# Altium PCB AI Gateway - Carrier.PcbDoc (part 3 of 3)
Units mm, origin at the board's own origin, x right, y up, seen from the top; angles counter-clockwise.
Board outline 140.01 x 100.04 mm, 4 copper layers (L1, L2/GND, L3/PWR, L4), stack 1.55 mm thick; 244 components, 230 nets, 1110 pads, 346 vias.
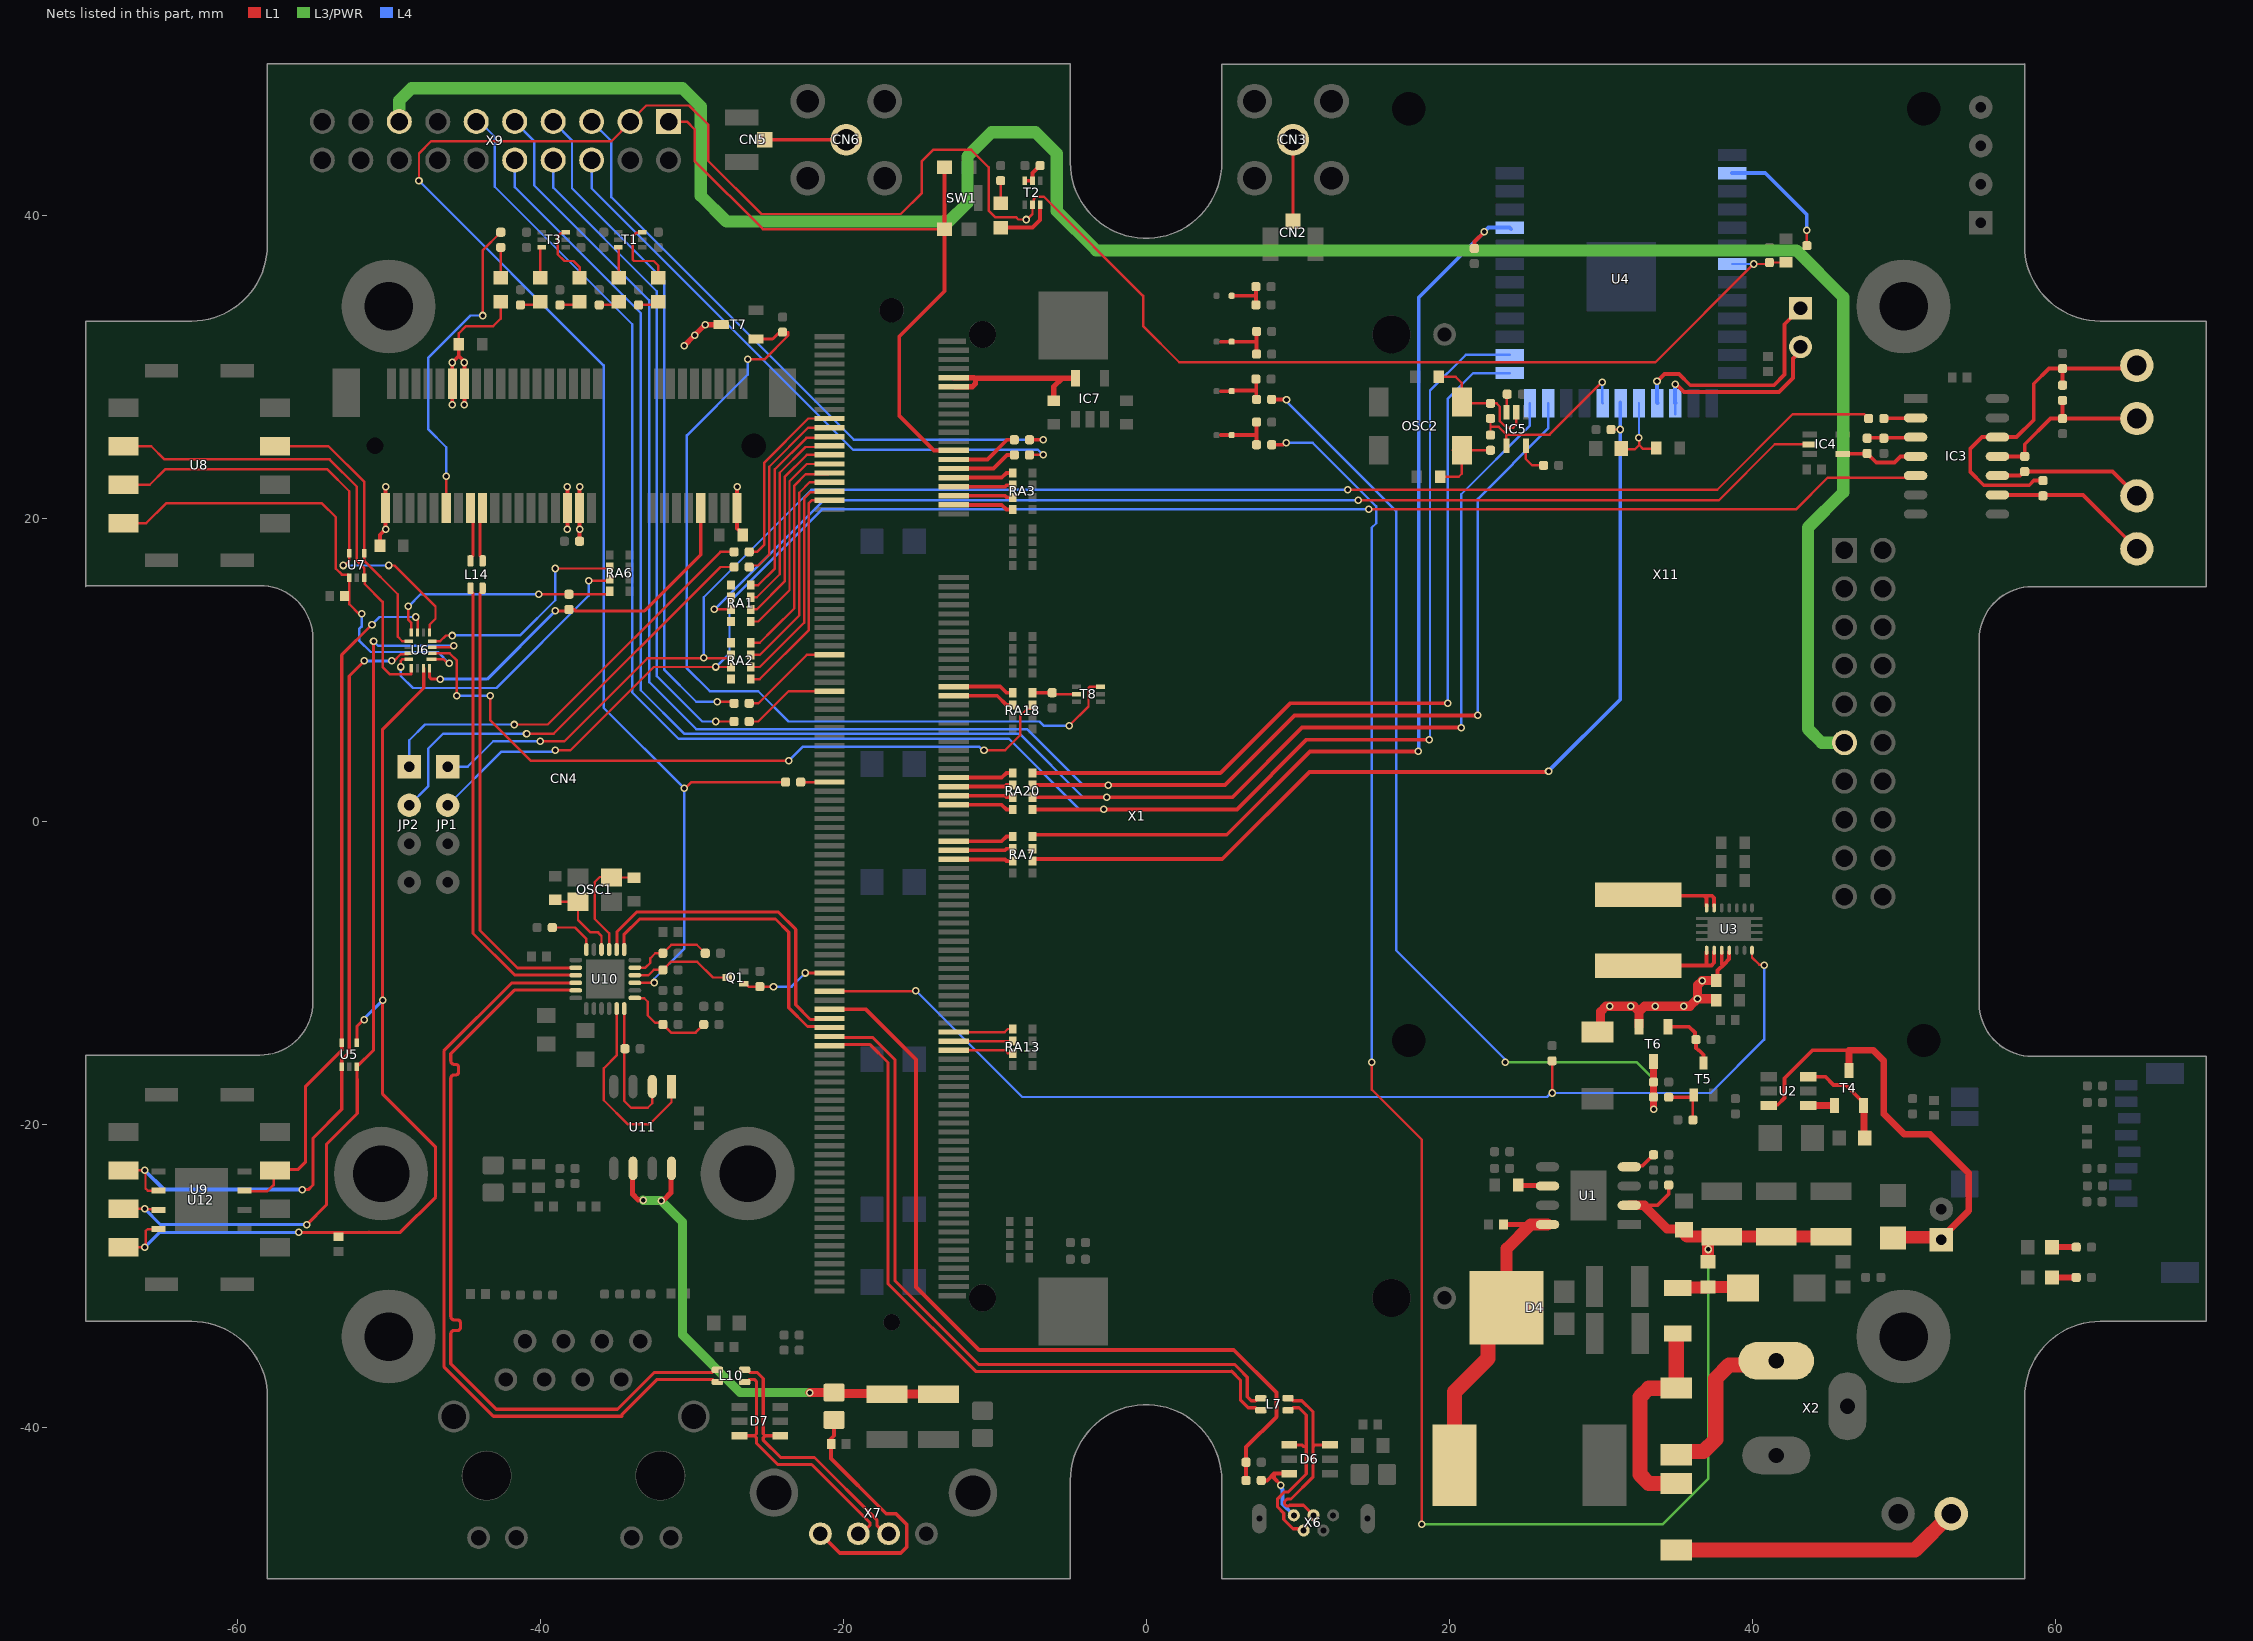
[diagram p5: the nets of this part, all layers, seen from the top]

## Via types
v1: diameter 0.5, hole 0.3, L1 to L4, 332 vias
v2: diameter 1.27, hole 0.711, L1 to L4, 14 vias

## Nets (pads, with @x,y where several pads share a name; then routed paths per layer and width w, separated by ;. In a path a pad name is that pad's centre, name@x,y a point inside that pad or via, vN(x,y) a via of type N, cw(c..) or ccw(c..) an arc to the next point about the centre after c; other vN are vias at no path point) (continued)
NetCN4_42: CN4.42 R62.2 | length 21.2
  L1 w0.16: CN4.42@-46.2,20.7 v1(-46.2,22.8) ; v1(-43.8,33.4) -43.8,37.7 R62.2@-42.6,38.9
  L4 w0.16: v1(-46.2,22.8) -46.2,24.7 -47.4,25.9 -47.4,30.6 -44.6,33.4 v1(-43.8,33.4)
NetD2_2: D2.2 F1.2 L1.2 | length 4.3
  L1 w0.8: F1.2@35.1,-30.8 35.13,-30.77 37.07,-30.77 L1.2@37.1,-30.74 D2.2@39.34,-30.74
  L1 w1: D2.2@39.34,-30.74 D2.2@39.4,-30.8
NetJP4_1: JP4.1 U4.17 | length 15.5
  L1 w0.254: v1(33.725,29.05) 34.225,29.55 35.175,29.55 35.925,28.8 41.45,28.8 42.15,29.5 42.15,32.825 JP4.1@43.2,33.875
  L4 w0.254: v1(33.725,29.05) 33.725,27.655 33.75,27.63 U4.17@33.74,27.62
NetJP4_2: JP4.2 U4.16 | length 12.6
  L1 w0.254: v1(34.925,28.875) 34.992,28.875 35.517,28.35 41.775,28.35 42.7,29.275 42.7,30.563 43.2,31.063 JP4.2@43.2,31.335
  L4 w0.16: U4.16@34.94,26.88 U4.16@34.94,27.62
  L4 w0.254: v1(34.925,28.875) 34.925,27.635 U4.16@34.94,27.62
NetJP7_2: JP7.2 R71.1 R72.1 | length 2.8
  L1 w0.254: JP7.2@5.65,34.705 7.25,34.705 ; R72.1@7.25,34.105 7.25,34.705 ; R71.1@7.25,35.305 7.25,34.705
NetJP8_2: JP8.2 R73.1 R74.1 | length 3.2
  L1 w0.254: JP8.2@5.65,31.673 7.218,31.673 7.292,31.599 ; R74.1@7.292,30.851 7.292,31.599 ; R73.1@7.292,32.347 7.292,31.599
NetJP9_2: JP9.2 R75.1 R76.1 | length 3
  L1 w0.254: JP9.2@5.65,28.405 5.692,28.447 7.185,28.447 7.271,28.532 ; R76.1@7.25,29.205 7.271,29.184 7.271,28.532 ; R75.1@7.292,27.86 7.271,27.88 7.271,28.532
NetJP10_2: JP10.2 R77.2 R78.2 | length 3.2
  L1 w0.254: JP10.2@5.65,25.505 7.181,25.505 7.292,25.616 ; R77.2@7.292,24.868 7.292,25.616 ; R78.2@7.292,26.364 7.292,25.616
NetL4_1: L4.1 U3.8 U3.9 | length 6.7
  L1 w0.254: L4.1@32.5,-9.53 32.53,-9.5 37,-9.5 ; U3.8@37,-8.6 37,-9.5 ; U3.9@37.5,-8.6 37.487,-8.613 37.487,-9.328 37.315,-9.5 37,-9.5
NetL4_2: L4.2 U3.6 U3.7 | length 6.4
  L1 w0.254: L4.2@32.5,-4.83 32.57,-4.9 36.838,-4.9 ; U3.7@37,-5.58 36.987,-5.567 36.987,-5.049 36.838,-4.9 ; U3.6@37.5,-5.58 37.5,-5.049 37.351,-4.9 36.838,-4.9
NetLED1_1: LED1.1 T1.3 | length 4.9
  L1 w0.16: T1.3@-33.271,38.9 -33.294,38.877 -33.635,38.877 -33.9,38.612 -33.9,37.1 -33.8,37 -32.5,37 -32.2,36.7 LED1.1@-32.2,35.9
NetLED1_2: LED1.2 R2.2 | length 1.4
  L1 w0.16: R2.2@-33.5,34.1 -32.4,34.1 LED1.2@-32.2,34.3
NetLED2_1: LED2.1 T1.6 | length 2
  L1 w0.16: T1.6@-34.851,37.9 -34.823,37.9 -34.8,37.877 LED2.1@-34.8,35.9
NetLED2_2: LED2.2 R3.2 | length 1.4
  L1 w0.16: R3.2@-36.1,34.1 -35,34.1 LED2.2@-34.8,34.3
NetLED3_1: LED3.1 T3.6 | length 4.3
  L1 w0.16: T3.6@-38.31,38.9 -38.38,38.83 -38.654,38.83 -38.835,38.649 -38.835,37.435 -38.4,37 -37.8,37 -37.4,36.6 LED3.1@-37.4,35.9
NetLED3_2: LED3.2 R8.2 | length 1.4
  L1 w0.16: R8.2@-38.7,34.1 -37.6,34.1 LED3.2@-37.4,34.3
NetLED4_1: LED4.1 T3.3 | length 2.1
  L1 w0.16: LED4.1@-40,35.9 -40,37.877 -39.977,37.9 T3.3@-39.89,37.9
NetLED4_2: LED4.2 R9.2 | length 1.4
  L1 w0.16: R9.2@-41.3,34.1 -40.2,34.1 LED4.2@-40,34.3
NetLED5_1: LED5.1 T2.3 | length 3.6
  L1 w0.254: LED5.1@-9.4,39.2 -7.5,39.2 -7,39.7 T2.3@-7,40.72
NetLED5_2: LED5.2 R1.1 | length 1.5
  L1 w0.16: LED5.2@-9.6,40.8 R1.1@-9.6,42.3
NetLED6_2: LED6.2 R21.1 | length 1.6
  L1 w0.4: LED6.2@59.8,-30.1 R21.1@61.4,-30.1
NetLED7_2: LED7.2 R22.1 | length 1.6
  L1 w0.4: LED7.2@59.8,-28.1 R22.1@61.4,-28.1
NetLED8_1: LED8.1 R62.1 | length 2
  L1 w0.16: LED8.1@-42.6,35.9 R62.1@-42.6,37.9
NetR31_2: R31.2 R54.2 T5.1 | length 3.3
  L1 w0.16: T5.1@36,-18.2 T5.1@36.1,-18.1 ; R54.2@36.1,-19.7 T5.1@36.1,-18.1 ; T5.1@36.15,-18.05 T5.1@36.1,-18.1
  L1 w0.254: R31.2@34.5,-18.2 T5.1@36,-18.2
NetR34_2: R34.2 T5.3 T6.1 | length 4.2
  L1 w0.254: T6.1@34.45,-13.55 35.85,-13.55 36.229,-13.929 36.229,-14.329 R34.2@36.3,-14.4 36.3,-14.951 36.449,-15.1 36.5,-15.1 36.8,-15.4 T5.3@36.8,-15.95
NetR53_1: R53.1 U10.24 | length 3.3
  L1 w0.16: R53.1@-39.2,-7 -37.7,-7 -36.95,-7.75 U10.24@-36.95,-8.45
NetR61_2: R61.2 U4.2 | length 8.1
  L1 w0.16: v1(43.613,39.022) 43.625,39.009 R61.2@43.625,38.009
  L4 w0.254: U4.2@38.68,42.8 40.875,42.8 43.613,40.063 v1(43.613,39.022)
NetR79_1: R79.1 T7.1 T8.6 | length 58.4
  L1 w0.16: v1(-26.3,30.5) -25.2,30.5 -23.62,32.08 -23.62,32.3 R79.1@-24,32.3 ; v1(-5.079,6.321) -3.8,7.6 -3.8,8.8 -3.7,8.9 T8.6@-3.01,8.9
  L1 w0.206: T7.1@-25.75,31.85 -24.65,31.85 R79.1@-24.2,32.3
  L4 w0.16: v1(-26.3,30.5) -26.3,29.5 -30.31,25.49 -30.31,10.11 -28.8,8.6 -25.6,8.6 -23.6,6.6 -7.03,6.6 -6.74,6.31 -5.09,6.31 v1(-5.079,6.321)
NetRA7_1: RA7.1 X1.100 | length 3.9
  L1 w0.254: X1.100@-12.6,-1.3 -9.525,-1.3 -9.225,-1 RA7.1@-8.8,-1
NetRA7_2: RA7.2 X1.102 | length 3.8
  L1 w0.254: X1.102@-12.6,-1.9 -9.325,-1.9 -9.225,-1.8 RA7.2@-8.8,-1.8
NetRA7_3: RA7.3 X1.104 | length 3.8
  L1 w0.254: X1.104@-12.6,-2.5 -9.325,-2.5 -9.225,-2.6 RA7.3@-8.8,-2.6
NetRA13_1: RA13.1 X1.142 | length 3.9
  L1 w0.16: X1.142@-12.6,-13.9 -9.33,-13.9 -9.13,-13.7 RA13.1@-8.8,-13.7
NetRA13_2: RA13.2 X1.144 | length 3.8
  L1 w0.16: X1.144@-12.6,-14.5 -9.13,-14.5 RA13.2@-8.8,-14.5
NetRA13_3: RA13.3 X1.146 | length 3.9
  L1 w0.16: X1.146@-12.6,-15.1 -9.33,-15.1 -9.13,-15.3 RA13.3@-8.8,-15.3
NetRA18_1: RA18.1 X1.66 | length 4
  L1 w0.254: X1.66@-12.6,8.9 -9.625,8.9 -9.225,8.5 RA18.1@-8.8,8.5
NetRA18_2: RA18.2 X1.68 | length 4
  L1 w0.254: X1.68@-12.6,8.3 -9.825,8.3 -9.225,7.7 RA18.2@-8.8,7.7
NetT4_1: T4.1 U2.4 | length 1.7
  L1 w0.45: U2.4@43.7,-18.75 T4.1@45.45,-18.75
NON_REM0: R81.1 R89.1 U10.17 | length 5.7
  L1 w0.16: U10.17@-33.75,-9.65 -33.05,-9.65 -32.725,-9.325 -32.725,-9.025 -32.4,-8.7 R81.1@-31.9,-8.7 -31.337,-8.137 -29.663,-8.137 R89.1@-29.1,-8.7
NON_REM1: R85.1 R86.2 U10.13 | length 6.2
  L1 w0.16: U10.13@-33.75,-11.65 -33.732,-11.668 -33.132,-11.668 -32.9,-11.9 -32.9,-12.8 -32.4,-13.3 R86.2@-31.9,-13.3 ; R86.2@-31.9,-13.4 -31.36,-13.94 -29.74,-13.94 R85.1@-29.2,-13.4
NOT_GND: IC5.3 R18.2 | length 1.2
  L1 w0.16: IC5.3@23.785,27.005 23.81,27.03 23.81,28.18 R18.2@23.835,28.205
NOT_VCC: IC5.5 R14.1 | length 2.2
  L1 w0.16: IC5.5@25.085,24.805 25.06,24.78 25.06,23.94 25.495,23.505 R14.1@26.235,23.505
PGOOD_3.3: R32.1 U3.14 X1.133 | length 74.7
  L1 w0.16: X1.133@-20.9,-11.2 v1@-15.23,-11.2 ; R32.1@26.8,-15.8 26.825,-15.825 v1(26.825,-17.925) ; U3.14@40,-8.5 40,-8.973 40.477,-9.45 40.75,-9.45 v1(40.8,-9.5)
  L1 w0.254: v1@-15.23,-11.2 v1(-15.2,-11.17)
  L4 w0.16: v1(-15.2,-11.17) -8.18,-18.19 26.473,-18.19 26.738,-17.925 37.275,-17.925 40.8,-14.4 v1(40.8,-9.5)
PWM0: R91.1 X9.7 | length 44.8
  L1 w0.16: v1(-28.3,7.9) -27.5,7.9 -27.3,7.7 R91.1@-27.2,7.8
  L4 w0.16: X9.7@-39.14,46.2 -37.9,44.96 -37.9,41.8 -31.8,35.7 -31.8,10 -29.7,7.9 v1(-28.3,7.9)
PWM1: R92.1 X9.5 | length 41.6
  L1 w0.254: R92.1@-7.7,25.2 v1(-6.8,25.2)
  L4 w0.16: X9.5@-36.6,46.2 -35.3,44.9 -35.3,41.207 -19.293,25.2 v1(-6.8,25.2)
PWM2: R93.1 X9.6 | length 39.7
  L1 w0.16: R93.1@-7.503,24.2 v1(-6.8,24.2)
  L4 w0.16: X9.6@-36.6,43.66 -36.6,41.8 -19.34,24.54 -7.14,24.54 v1(-6.8,24.2)
PWM3: R94.1 X9.8 | length 43.2
  L1 w0.16: v1(-28.4,6.6) R94.1@-27.2,6.6
  L4 w0.16: X9.8@-39.14,43.66 -39.14,41.84 -32.3,35 -32.3,9.6 -29.3,6.6 v1(-28.4,6.6)
PWM_A_S: R91.2 X1.59 | length 6.6
  L1 w0.16: R91.2@-26.2,7.8 -25.6,7.8 -22.4,11 X1.59@-20.9,11
PWM_B_S: R92.2 X1.28 | length 4.5
  L1 w0.254: X1.28@-12.7,23.9 -10.475,23.9 -9.175,25.2 R92.2@-8.7,25.2
PWM_C_S: R93.2 X1.30 | length 4.4
  L1 w0.254: X1.30@-12.7,23.3 -10.075,23.3 -9.175,24.2 R93.2@-8.7,24.2
PWM_D_S: R94.2 X1.67 | length 6.1
  L1 w0.16: R94.2@-26.2,6.6 -25.6,6.6 -23.6,8.6 X1.67@-20.9,8.6
PWR_IN: D1.1 D3.1 F1.1 | length 14.1
  L1 w1: D3.1@35,-43.7 33.186,-43.7 32.6,-43.114 32.6,-38 33.186,-37.414 34.986,-37.414 D1.1@35,-37.4 35,-33.825 35.025,-33.8 F1.1@35.1,-33.8
PWR_IN_A: D1.2 X2.1 | length 11.5
  L1 w1: D1.2@35,-41.8 35.2,-41.6 36.8,-41.6 37.6,-40.8 37.6,-36.773 38.486,-35.887 41.313,-35.887 X2.1@41.6,-35.6
PWR_IN_B: D3.2 X3.2 | length 19.1
  L1 w1: D3.2@35,-48.1 50.75,-48.1 X3.2@53.15,-45.7
PWR_IN_FILT: C8.2 C9.2 C10.2 C14.2 L1.1 R25.2 R77.1 U1.2 | length 130.9
  L1 w0.16: v1(14.9,-15.9) 14.9,-17.7 18.2,-21 v1(18.2,-46.4)
  L1 w0.254: R77.1@8.292,24.868 9.053,24.868 9.176,24.991 v1(9.242,24.991) ; 32.9,-25.335 33.765,-25.335 34.5,-24.6 R25.2@34.5,-24
  L1 w0.6: U1.2@31.9,-25.335 32.9,-25.335 ; 32.835,-25.335 34.389,-26.889 35.2,-26.889 35.3,-26.989 C14.2@35.3,-27.15
  L1 w0.8: C14.2@35.45,-26.9 C14.2@35.5,-26.95 ; C14.2@35.6,-27.3 35.703,-27.403 C8.2@37.275,-27.403 ; L1.1@37.1,-29.06 v1(37.1,-28.253) 37.1,-27.578 C8.2@37.275,-27.403 ; C10.2@45.2,-27.403 C9.2@41.6,-27.403 C8.2@38,-27.403 C8.2@37.275,-27.403
  L3/PWR w0.16: v1(18.2,-46.4) 34.1,-46.4 37.1,-43.4 v1(37.1,-28.253)
  L4 w0.16: v1(9.242,24.991) 11.002,24.991 15.19,20.803 15.19,19.69 14.9,19.4 v1(14.9,-15.9)
RESET_EXTn: SW1.2 SW1.4 X1.26 X9.1 | length 44.6
  L1 w0.16: X9.1@-31.52,46.2 -30.3,46.2 -29.8,45.7 -29.8,43.6 -25.3,39.1 SW1.2@-13.3,39.1
  L1 w0.254: SW1.4@-13.3,43.2 SW1.2@-13.3,39.1 -13.3,35 -16.3,32 -16.3,26.8 -14,24.5 X1.26@-12.7,24.5
RESET_OUT: R4.1 T2.5 T2.6 | length 1.8
  L1 w0.254: T2.6@-8,42.259 T2.6@-8,42.277 ; T2.6@-8,42.3 T2.6@-8,42.277 ; R4.1@-7,43.3 -7.5,42.8 T2.5@-7.5,42.3 -7.977,42.3 T2.6@-8,42.277
RESET_OUTn: C47.2 R5.1 R60.2 T2.2 U4.7 U10.15 X9.3 | length 184.7
  L1 w0.16: v1(-48,42.3) -48,44.1 -47.2,44.9 -35.3,44.9 -34.06,46.14 X9.3@-34.06,46.2 -32.995,47.265 -30.165,47.265 -28.9,46 -28.9,43.6 -25.4,40.1 -16.2,40.1 -14.8,41.5 -14.8,43.6 -14.066,44.334 -11.544,44.334 -10.4,43.189 -10.4,40.336 -9.964,39.9 -8.6,39.9 -8.437,39.737 v1(-7.9,39.737) -7.863,39.737 -7.5,40.1 T2.2@-7.5,40.72 -7.43,40.79 -7.43,41.064 -7.249,41.245 -6.751,41.245 -0.2,34.694 -0.2,32.7 2.189,30.311 33.619,30.311 v1(40.108,36.8) 41.05,36.8 R60.2@41.15,36.9 42.225,36.9 C47.2@42.25,36.925 ; U10.15@-33.75,-10.65 -33.741,-10.641 -32.481,-10.641 v1(-32.471,-10.631) v1@-32.431,-10.631 ; v1(-30.5,2.2) -30.4,2.2 -30,2.6 R5.1@-23.8,2.6
  L4 w0.16: v1(-48,42.3) -35.81,30.11 -35.81,7.51 v1(-30.5,2.2) -30.5,-8.407 -32.471,-10.378 v1(-32.471,-10.631) ; U4.7@38.68,36.8 v1(40.108,36.8) v1@40.208,36.9
RESET_OUTn_S: R5.2 X1.87 | length 1.9
  L1 w0.16: R5.2@-22.8,2.6 X1.87@-20.9,2.6
RF_3G: CN5.1 CN6.5 | length 5.4
  L1 w0.222: CN5.1@-25.175,45 CN6.5@-19.8,45
RF_WIFI: CN2.1 CN3.5 | length 5.4
  L1 w0.222: CN2.1@9.7,39.625 CN3.5@9.7,45
RS485.CTS: RA1.2
RS485.DCD: RA2.1
RS485.DSR: RA1.4
RS485.DTR: RA1.1
RS485.RI: RA2.4
RS485.RTS: IC4.2 RA1.3 | length 77.9
  L1 w0.16: v1(-28.5,14) RA1.3@-27.4,14 ; v1(14,21.2) 37.8,21.2 41.5,24.9 IC4.2@43.8,24.9
  L4 w0.16: v1(-28.5,14) -21.3,21.2 v1(14,21.2)
RS485.RXD: IC3.2 R35.1 | length 2.1
  L1 w0.254: R35.1@48.7,26.6 48.72,26.62 50.78,26.62 IC3.2@50.8,26.64
RS485.TXD: IC3.5 JP1.2 RA2.3 | length 108.9
  L1 w0.16: v1(-39,4.7) -38,4.7 -32.5,10.2 RA2.3@-27.4,10.2 ; v1(14.7,20.6) 42.899,20.6 44.999,22.7 50.076,22.7 50.206,22.83 IC3.5@50.8,22.83
  L4 w0.16: JP1.2@-46.1,1.07 -42.56,4.61 -39.09,4.61 v1(-39,4.7) ; v1(-28.4,10.2) -27.5,11.1 -27.5,14.5 -21.4,20.6 v1(14.7,20.6)
RS485_DE: IC3.4 IC4.4 R66.2 | length 5.2
  L1 w0.254: IC4.4@46,24.25 46.025,24.275 47.575,24.275 R66.2@47.6,24.3 48.2,23.7 49.4,23.7 49.8,24.1 IC3.4@50.8,24.1
RS485_nRE: IC3.3 R66.1 R69.2 | length 3.2
  L1 w0.254: R66.1@47.6,25.3 47.635,25.335 50.765,25.335 IC3.3@50.8,25.37
RS485_RXD+: IC3.12 R13.2 R65.1 R67.1 X8.2 | length 22.6
  L1 w0.254: R13.2@59.2,22.5 58.6,22.5 58.3,22.2 55.3,22.2 54.4,23.1 54.4,24.6 55.17,25.37 IC3.12@56.2,25.37 56.4,25.37 57.47,25.37 58.6,26.5 58.6,28.9 59.6,29.9 R67.1@60.5,29.9 ; R65.1@60.5,28.8 R67.1@60.5,29.9 ; X8.2@65.4,30.1 65.2,29.9 R67.1@60.5,29.9
RS485_RXD-: IC3.11 R12.1 R65.2 R70.2 X8.1 | length 11.9
  L1 w0.254: IC3.11@56.2,24.1 R12.1@58,24.1 58,24.9 59.7,26.6 R70.2@60.5,26.6 ; R65.2@60.5,27.8 R70.2@60.5,26.6 ; X8.1@65.4,26.6 R70.2@60.5,26.6
RS485_TXD+: IC3.9 R13.1 X10.1 | length 10.7
  L1 w0.254: IC3.9@56.2,21.56 61.84,21.56 X10.1@65.4,18
RS485_TXD-: IC3.10 R12.2 X10.2 | length 10
  L1 w0.254: IC3.10@56.2,22.83 57.692,22.83 57.962,23.1 R12.2@58,23.1 63.8,23.1 X10.2@65.4,21.5
RT_SYNC: R29.2 U1.4 | length 1.9
  L1 w0.254: U1.4@31.905,-22.8 U1.4@31.9,-22.795 31.966,-22.729 32.771,-22.729 R29.2@33.5,-22
SIM1_CLK: U6.13 U7.3 U8.3 | length 31.6
  L1 w0.16: U8.3@-67.5,24.77 -65.67,24.77 -64.8,23.9 -53.9,23.9 -52.1,22.1 -52.1,17.2 -51.6,16.7 U7.3@-51.6,16.1 -51.575,16.075 -51.575,15.675 -50.4,14.5 -50.4,10.2 -49.91,9.71 -48.5,9.71 U6.13@-48.5,10.125
SIM1_DATA: U6.9 U7.4 U8.7 | length 18.8
  L1 w0.16: U8.7@-57.5,24.77 -53.97,24.77 -51.6,22.4 U7.4@-51.6,17.7 -51.6,17.2 -49.4,15 -49.4,12.2 -49.1,11.9 U6.9@-48.675,11.9
SIM1_RST: U6.5 U7.5 U8.2 | length 30.1
  L1 w0.16: U8.2@-67.5,22.23 -65.77,22.23 -64.755,23.245 -54.045,23.245 -52.6,21.8 U7.5@-52.6,17.7 -52.6,17.208 -52.908,16.9 v1(-53,16.9) ; v1(-50,16.9) -49.607,16.9 -46.91,14.203 -46.91,13.38 -47.3,12.99 U6.5@-47.3,12.475
  L4 w0.16: v1(-53,16.9) v1(-50,16.9)
SIM1_VDD: C62.1 U6.1 U7.1 U8.1 | length 32
  L1 w0.16: U8.1@-67.5,19.69 -66.01,19.69 -64.7,21 -54.4,21 -53.49,20.09 -53.49,16.697 -53.093,16.3 -52.67,16.3 -52.6,16.23 -52.6,14.35 -51.95,13.7 v1(-51.79,13.7) ; U6.1@-47.175,10.7 -46.356,10.7 -46.106,10.45 v1(-46.014,10.45)
  L4 w0.16: v1(-51.79,13.7) -51.79,12.863 -51.95,12.703 -51.95,11.957 -51.183,11.19 -46.754,11.19 v1(-46.014,10.45)
SIM2_CLK: U5.1 U6.11 U9.3 U12.6 | length 54.3
  L1 w0.16: U9.3@-67.5,-23.03 v1(-66.1,-23.03) -66.053,-23.077 -66.053,-24.216 -65.904,-24.365 U12.6@-65.042,-24.365 ; v1(-49.8,10.6) -49.653,10.6 -49.203,11.05 -48.75,11.05 -48.688,11.113 U6.11@-48.675,11.1
  L1 w0.206: v1(-55.7,-24.3) -55.3,-24.3 -55,-24 -55,-20.9 -53.1,-19 U5.1@-53.1,-16.449 ; U5.1@-53.1,-16.2 -53.1,-15.717 -52.6,-15.217 -52.6,9.6 v1(-51.6,10.6)
  L4 w0.206: v1(-51.6,10.6) v1(-49.8,10.6)
  L4 w0.254: v1(-66.1,-23.03) -64.83,-24.3 v1(-55.7,-24.3)
SIM2_DATA: U5.5 U6.7 U9.7 U12.3 | length 46.5
  L1 w0.16: U12.3@-59.378,-24.4 -58,-24.4 -57.6,-24 -57.6,-23.13 U9.7@-57.5,-23.03 U9.7@-57.435,-22.965 ; v1(-48.2,13.5) -48.07,13.37 -48.07,12.505 U6.7@-48.1,12.475
  L1 w0.206: U9.7@-57.435,-22.965 -55.965,-22.965 -55.5,-22.5 -55.5,-17.5 -53.1,-15.1 U5.5@-53.1,-14.6 ; U5.5@-53.1,-14.385 -53.1,-14.3 -53.1,11 v1(-51.1,13)
  L4 w0.16: v1(-51.1,13) -50.6,13.5 v1(-48.2,13.5)
SIM2_RST: U5.3 U6.3 U9.2 U12.7 | length 60.9
  L1 w0.16: U9.2@-67.5,-25.57 v1(-66.1,-25.57) -66.068,-25.602 -65.075,-25.602 U12.7@-65.042,-25.635 ; U6.3@-47.125,11.5 -45.8,11.5 v1(-45.7,11.6)
  L1 w0.206: v1(-55.412,-26.612) -54.1,-25.3 -54.1,-21.3 -52.074,-19.274 -52.074,-17.008 -52.1,-16.982 U5.3@-52.1,-16.2 -51,-15.1 v1(-51,11.9)
  L4 w0.16: v1(-51,11.9) -50.7,11.6 v1(-45.7,11.6)
  L4 w0.206: v1(-66.1,-25.57) -65.058,-26.612 v1(-55.412,-26.612)
SIM2_VDD: C55.1 U5.4 U6.15 U9.1 U12.8 | length 65.2
  L1 w0.16: U9.1@-67.5,-28.11 v1(-66.1,-28.11) -66.044,-28.054 -66.044,-27.044 -65.905,-26.905 U12.8@-65.042,-26.905 ; v1(-55.947,-27.125) v1@-55.9,-27.172
  L1 w0.206: v1(-55.947,-27.125) -51.315,-27.125 -51.29,-27.1 ; U5.4@-52.1,-14.6 -52.094,-14.594 -52.094,-13.52 -52.09,-13.52 -51.67,-13.1 v1(-51.613,-13.1) ; -51.29,-27.125 -49.225,-27.125 -46.9,-24.8 -46.9,-21.5 -50.4,-18 v1(-50.4,-11.8) -50.4,6.1 -47.687,8.813 -47.687,10.112 U6.15@-47.7,10.125
  L4 w0.206: v1(-66.1,-28.11) -65.115,-27.125 v1(-55.947,-27.125) ; v1(-51.613,-13.1) -51.562,-13.049 -51.562,-12.962 v1(-50.4,-11.8)
SIM_CLK: RA6.6 U6.12 | length 19.3
  L1 w0.16: v1(-49.2,10.2) -49.2,10.6 -49.1,10.7 U6.12@-48.675,10.7 ; v1(-36.8,15.9) -35.5,15.9 RA6.6@-35.4,16
  L4 w0.16: v1(-49.2,10.2) -49.2,9.607 -48.403,8.81 -42.89,8.81 -36.8,14.9 v1(-36.8,15.9)
SIM_DATA: R64.1 RA6.5 U6.8 | length 17.5
  L1 w0.16: v1(-48.7,14.2) -48.7,13.307 -48.5,13.107 U6.8@-48.5,12.475 ; R64.1@-38.1,15 v1(-40.1,15) -35.6,15 RA6.5@-35.4,15.2
  L4 w0.16: v1(-48.7,14.2) -47.9,15 v1(-40.1,15)
SIM_RST: RA6.7 U6.4 | length 15
  L1 w0.16: U6.4@-47.125,11.9 -46.6,11.9 -46.225,12.275 v1(-45.8,12.275) ; v1(-39,16.7) -35.5,16.7 RA6.7@-35.4,16.8
  L4 w0.16: v1@-45.8,12.3 -41.3,12.3 -39,14.6 v1(-39,16.7)
SIM_SEL: RA18.6 U6.2 | length 47.4
  L1 w0.16: U6.2@-47.125,11.1 -45.971,11.1 -45.5,10.629 v1(-45.5,8.3) ; v1(-43.3,8.3) -43.3,6.7 -40.6,4 v1(-23.6,4) ; v1(-10.7,4.7) -9.311,4.7 -8.31,5.701 -8.31,6.979 -7.849,7.44 -7.56,7.44 -7.4,7.6 RA18.6@-7.5,7.7
  L4 w0.16: v1(-45.5,8.3) v1@-43.4,8.3 ; v1(-23.6,4) -22.66,4.94 -11.032,4.94 -10.792,4.7 v1(-10.7,4.7)
SIM_VDD: CN4.8 R64.2 U6.16 | length 25
  L1 w0.206: U6.16@-47.3,10.125 -47.3,9.52 -47.18,9.4 v1(-46.6,9.4) ; v1(-39,13.9) R64.2@-38.1,13.9 ; R64.2@-38.1,14 -37.697,14 -37.697,13.9 -33.1,13.9 -29.4,17.6 CN4.8@-29.4,20.7
  L4 w0.206: v1(-46.6,9.4) -43.5,9.4 v1@-39.1,13.8
SPI.CLK: RA20.6 U4.23 X9.9 | length 127.7
  L1 w0.254: RA20.6@-7.5,2.4 v1(-2.491,2.4) 5.2,2.4 9.8,7 v1(21.9,7)
  L4 w0.16: X9.9@-41.68,46.2 -40.4,44.92 -40.4,42 -32.8,34.4 -32.8,9.2 -29.7,6.1 -7.855,6.1 -4.155,2.4 v1(-2.491,2.4) ; v1(21.9,7) 21.9,21.3 26.54,25.94 U4.23@26.54,27.62
SPI.CS: RA20.5 U4.25 | length 54.3
  L1 w0.254: RA20.5@-7.5,3.2 4.9,3.2 9.5,7.8 v1(19.9,7.8)
  L4 w0.16: v1@19.9,7.731 19.9,27.9 21.6,29.6 U4.25@24,29.6
SPI.RXD: RA20.7 U4.24 X9.10 | length 125.6
  L1 w0.254: RA20.7@-7.5,1.6 v1(-2.6,1.6) 5.7,1.6 10.3,6.2 v1(20.8,6.2)
  L4 w0.16: X9.10@-41.68,43.66 -41.68,41.88 -33.36,33.56 -33.36,8.66 -30.48,5.78 -8.334,5.78 -4.154,1.6 v1(-2.6,1.6) ; v1(20.8,6.2) 20.8,21.6 25.34,26.14 U4.24@25.34,27.62
SPI.TXD: RA20.8 U4.26 X9.11 | length 133.7
  L1 w0.254: RA20.8@-7.5,0.8 v1(-2.8,0.8) 6,0.8 10.6,5.4 v1(18.7,5.4)
  L4 w0.16: X9.11@-44.22,46.2 -44,46.2 -43,45.2 -43,41.9 -33.92,32.82 -33.92,8.52 -30.86,5.46 -9.06,5.46 -4.4,0.8 v1(-2.8,0.8) ; v1@18.742,5.517 18.742,28.442 21.1,30.8 U4.26@24,30.8
SPI_CLK_S: RA20.2 X1.88 | length 3.8
  L1 w0.254: X1.88@-12.6,2.3 -9.325,2.3 -9.225,2.4 RA20.2@-8.8,2.4
SPI_CS_S: RA20.1 X1.86 | length 3.9
  L1 w0.254: X1.86@-12.6,2.9 -9.525,2.9 -9.225,3.2 RA20.1@-8.8,3.2
SPI_RXD_S: RA20.3 X1.90 | length 3.8
  L1 w0.254: X1.90@-12.6,1.7 -9.325,1.7 -9.225,1.6 RA20.3@-8.8,1.6
SPI_TXD_S: RA20.4 X1.92 | length 3.9
  L1 w0.254: X1.92@-12.6,1.1 -9.525,1.1 -9.225,0.8 RA20.4@-8.8,0.8
SS: C19.2 U1.6 | length 2
  L1 w0.35: C19.2@24.575,-24 24.607,-24.032 26.468,-24.032 U1.6@26.5,-24.065
SW: C11.2 D4.K L3.1 U1.8 | length 20.9
  L1 w0.35: C11.2@23.59,-26.6 23.592,-26.602 25.395,-26.602
  L1 w0.8: D4.K@23.8,-32.1 23.8,-28.2 25.395,-26.605 U1.8@26.5,-26.605
  L1 w1: L3.1@20.35,-42.5 20.35,-37.65 22.561,-35.439 22.561,-33.339 D4.K@23.8,-32.1
U11_OUT: C38.2 C59.2 L13.2 U11.6 U11.8 | length 33.9
  L1 w0.35: U11.6@-33.9,-22.87 -33.9,-24.6 -33.529,-24.971 ; v1(-32.02,-25.03) -31.991,-25.001 -31.861,-25.001 -31.36,-24.5 U11.8@-31.36,-22.87
  L1 w0.6: v1(-22.2,-37.7) -20.3,-37.7 -20.25,-37.75 -17.15,-37.75 C38.2@-17.1,-37.8 C59.2@-13.7,-37.8
  L3/PWR w0.6: v1(-33.2,-25) -33.17,-25.03 v1(-32.02,-25.03) -30.6,-26.45 -30.6,-33.9 -26.8,-37.7 v1(-22.2,-37.7)
UART_A_CTS_S: RA1.6 X1.25 | length 13.3
  L1 w0.16: RA1.6@-26.1,14.8 -25.7,14.8 -24.18,16.32 -24.18,23.02 -22.48,24.72 -20.98,24.72 X1.25@-20.9,24.8
UART_A_DCD_S: RA2.5 X1.31 | length 14.6
  L1 w0.16: RA2.5@-26.1,11.8 -25.5,11.8 -24.6,12.7 -23.22,14.08 -23.22,22.18 -22.48,22.92 -20.98,22.92 X1.31@-20.9,23
UART_A_DSR_S: RA1.8 X1.29 | length 13.7
  L1 w0.16: RA1.8@-26.1,13.2 -25.6,13.2 -23.54,15.26 -23.54,22.46 -22.4,23.6 X1.29@-20.9,23.6
UART_A_DTR_S: RA1.5 X1.23 | length 13.1
  L1 w0.16: RA1.5@-26.1,15.6 -25.6,15.6 -24.5,16.7 -24.5,23.247 -22.427,25.32 -20.98,25.32 X1.23@-20.9,25.4
UART_A_RI_S: RA2.8 X1.37 | length 15
  L1 w0.16: RA2.8@-26.1,9.4 -25.5,9.4 -22.26,12.64 -22.26,21.021 -22.081,21.2 X1.37@-20.9,21.2
UART_A_RTS_S: RA1.7 X1.27 | length 13.5
  L1 w0.16: RA1.7@-26.1,14 -25.7,14 -23.86,15.84 -23.86,22.74 -22.4,24.2 X1.27@-20.9,24.2
UART_A_RXD_JP: JP1.1 R35.2 RA2.2 | length 107.8
  L1 w0.16: v1(-40,5.3) -38.4,5.3 -32.92,10.78 -27.57,10.78 -27.4,10.95 RA2.2@-27.4,11 ; v1(13.3,21.9) 37.7,21.9 42.69,26.89 47.41,26.89 R35.2@47.7,26.6
  L4 w0.16: JP1.1@-46.1,3.61 -44.79,3.61 -43.1,5.3 v1(-40,5.3) ; v1(-29.2,10.8) -29.2,14.8 -22.1,21.9 v1(13.3,21.9)